# Allegro board meta_carrier_lay_rev1.brd (continued)
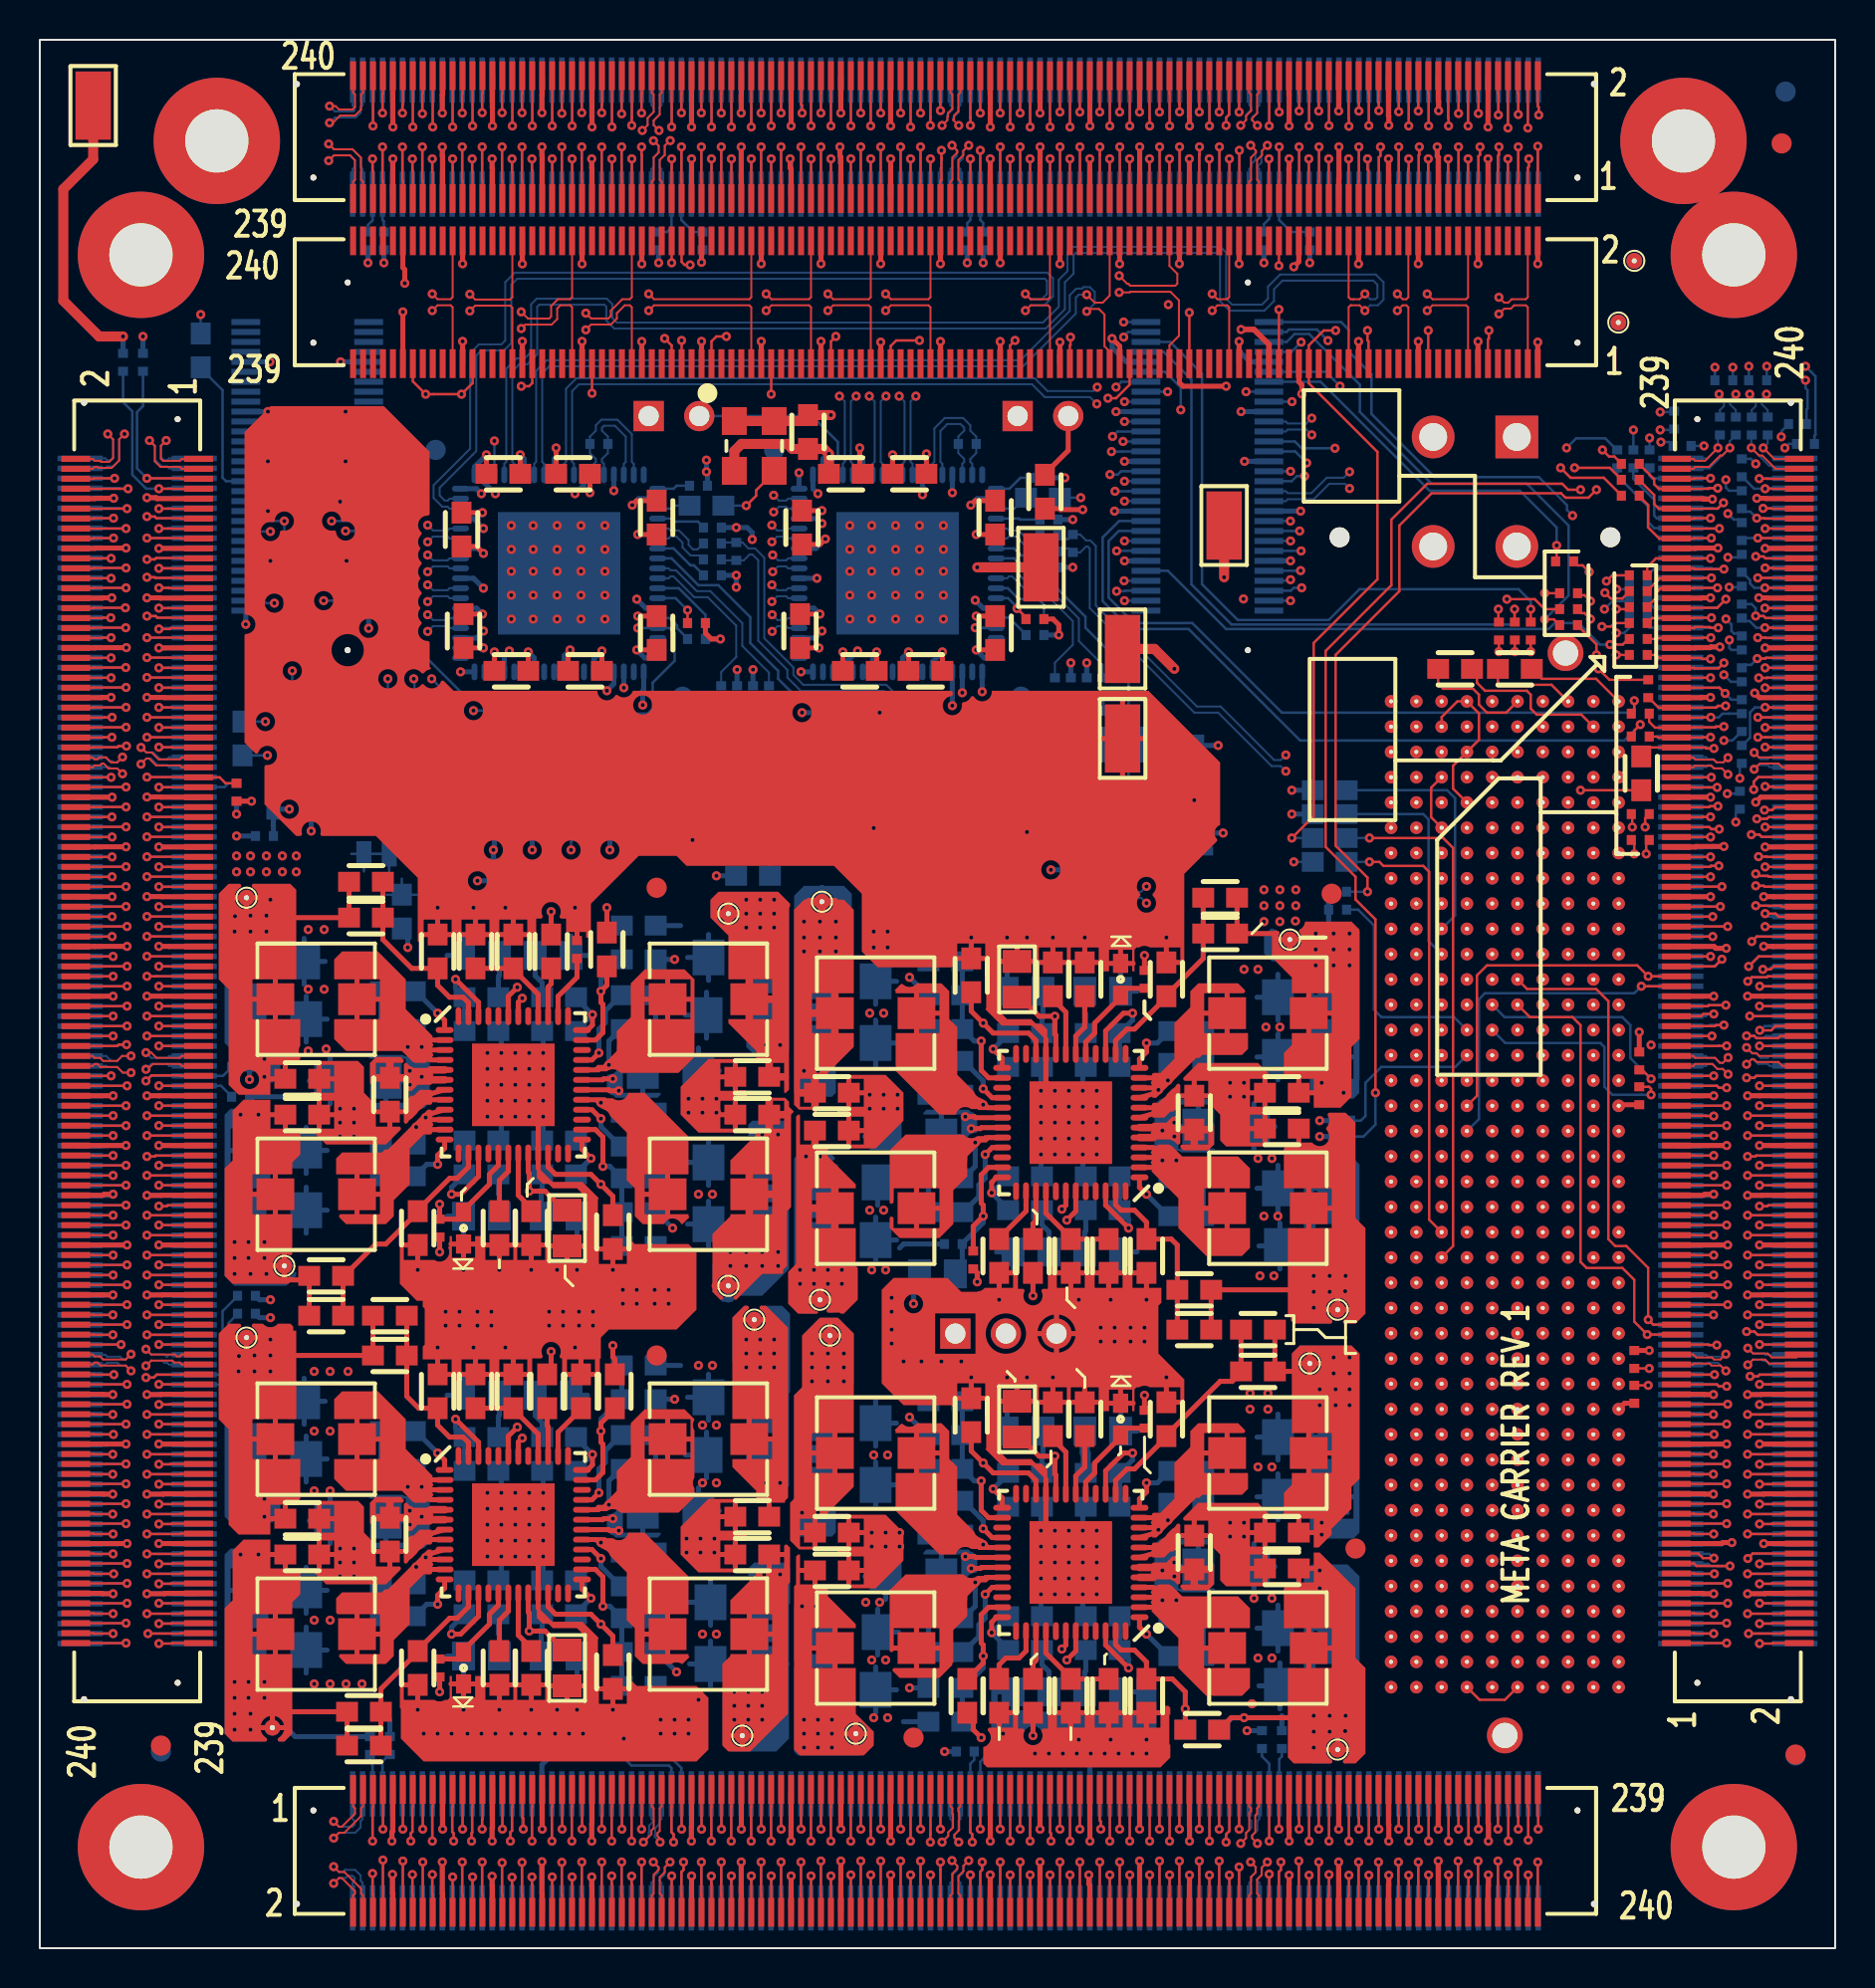
[diagram p0: board, top side]
## Routing (per net, layer and track width the routed paths; a pad name or vN(x,y) marks a point on that pad's centre or on a via; arc(x,y) is an arc through that point) (continued)
CLKPD_1P8V: length 38.7
  SIGNAL_L5 w0.127: v1(62.98,54.58) 27.28,54.58 v1(26.68,55.18)
  BOTTOM w0.127: U9.2 26.73,55.64 26.68,55.59 v1(26.68,55.18) ; v1(62.98,54.58) R49.1
CLKPDB: length 43.9
  SIGNAL_L12 w0.083: v1(30.03,66.33) 30.98,65.38 37.81,65.38 38.21,65.78 46.41,65.78 v1(46.98,66.35)
  BOTTOM w0.127: U7.15 47.39,66.33 47.37,66.35 v1(46.98,66.35) ; J14.9 17.66,69.2 18.68,68.18 18.68,65.58 21.18,63.08 26.63,63.08 27.01,62.7 27.06,62.7 27.68,62.08 R114.1 30.53,62.03 30.78,62.28 30.78,63.58 31.88,64.68 31.88,66.07 31.62,66.33 U10.15 v1(30.03,66.33)
CLKREF_N_CLOCK: length 7.3
  BOTTOM w0.102: U7.67 44.83,74.58 44.93,74.68 44.93,76.36 45.45,76.88 46.37,76.88 46.73,76.52 46.73,76.25 47.03,75.95 R77.1 47.03,75.12 46.73,74.82 46.73,74.68 46.83,74.58 U7.71
CLKREF_N_CLOCK1: length 7.1
  BOTTOM w0.102: U10.67 27.83,74.58 27.93,74.68 27.93,74.82 27.63,75.12 R113.1 27.63,75.95 27.93,76.25 27.93,76.52 28.21,76.8 29.01,76.8 29.73,76.07 29.73,74.68 29.83,74.58 U10.71
CLKREF_P_CLOCK: length 6.3
  BOTTOM w0.102: U7.70 46.33,74.58 46.43,74.68 46.43,74.82 46.13,75.12 R77.2 46.13,75.95 46.43,76.25 46.43,76.39 46.24,76.58 45.58,76.58 45.23,76.23 45.23,74.68 45.33,74.58 U7.68
CLKREF_P_CLOCK1: length 6.1
  BOTTOM w0.102: U10.70 29.33,74.58 29.43,74.68 29.43,75.95 28.88,76.49 28.33,76.49 28.23,76.39 28.23,76.25 28.53,75.95 R113.2 28.53,75.12 28.23,74.82 28.23,74.68 28.33,74.58 U10.68
COLID2: length 38.5
  TOP w0.127: J2.174 32.23,84.73 32.38,84.58 v1(32.66,84.58)
  SIGNAL_L10 w0.083: v1(19.68,63.78) 15.98,67.48 15.98,70.58 v1(15.36,71.2) 15.36,71.75 20.28,76.68 20.98,76.68 23.28,78.98 23.28,82.48 24.38,83.58 31.66,83.58 v1(32.66,84.58)
  BOTTOM w0.127: U12.4 20.09,63.38 v1(19.68,63.78) ; J14.17 v1(15.36,71.2)
COLID3: length 38.6
  TOP w0.127: J2.176 v1(31.73,84.68)
  SIGNAL_L10 w0.083: v1(18.78,63.78) 18.28,63.78 15.18,66.88 15.18,68.78 14.65,69.3 v1(14.65,71.7) 20.03,77.08 20.78,77.08 22.78,79.08 22.78,82.58 24.08,83.88 30.93,83.88 v1(31.73,84.68)
  BOTTOM w0.127: J14.19 v1(14.65,71.7) ; U12.3 18.81,63.64 18.78,63.68 v1(18.78,63.78)
COMP1_Q1: length 5.2
  TOP w0.254: U2.46 22.03,47.53 v1(20.88,48.68)
  BOTTOM w0.254: v1(20.88,48.68) 20.88,48.23 R121.2 21.33,46.65 21.43,46.55 21.43,46.18 C167.1
COMP1_Q2: length 5.2
  TOP w0.254: U5.46 53.53,15.23 v1(54.68,14.08)
  BOTTOM w0.254: C94.1 54.13,16.58 54.13,16.21 54.23,16.11 R63.2 54.68,14.53 v1(54.68,14.08)
COMP1_Q4: length 5.2
  TOP w0.254: v1(20.88,26.58) 22.03,25.43 U4.46
  BOTTOM w0.254: C171.1 21.43,24.08 21.43,24.45 21.33,24.55 R123.2 20.88,26.13 v1(20.88,26.58)
COMP1_Q8: length 5.2
  TOP w0.254: v1(54.68,36.18) 53.53,37.33 U3.46
  BOTTOM w0.254: C90.1 54.13,38.68 54.13,38.31 54.23,38.21 R61.2 54.68,36.63 v1(54.68,36.18)
COMP2_Q1: length 5.8
  TOP w0.254: U2.15 22.03,38.77 21.14,37.88 v1(20.68,37.88)
  BOTTOM w0.254: v1(20.68,37.88) 20.68,38.23 R122.2 C168.1
COMP2_Q2: length 5.8
  TOP w0.254: v1(54.88,24.88) 54.42,24.88 53.53,23.99 U5.15
  BOTTOM w0.254: v1(54.88,24.88) 54.88,24.53 R62.2 C93.1
COMP2_Q4: length 5.8
  TOP w0.254: v1(20.68,15.78) 21.14,15.78 22.03,16.67 U4.15
  BOTTOM w0.254: C172.1 R124.2 20.68,16.13 v1(20.68,15.78)
COMP2_Q8: length 5.8
  TOP w0.254: v1(54.88,46.98) 54.42,46.98 53.53,46.09 U3.15
  BOTTOM w0.254: C89.1 R60.2 54.88,46.63 v1(54.88,46.98)
COMP3_Q1: length 3.5
  TOP w0.254: v1(27.68,39.68) 27.23,40.13 U2.25
  BOTTOM w0.254: C159.1 27.38,40.13 27.38,39.98 v1(27.68,39.68) 26.93,38.93 R116.2
COMP3_Q2: length 3.5
  TOP w0.254: U5.25 48.33,22.63 v1(47.88,23.08)
  BOTTOM w0.254: R72.2 48.63,23.83 v1(47.88,23.08) 48.18,22.78 48.18,22.63 C111.1
COMP3_Q4: length 3.5
  TOP w0.254: v1(27.68,17.58) 27.23,18.03 U4.25
  BOTTOM w0.254: C162.1 27.38,18.03 27.38,17.88 v1(27.68,17.58) 26.93,16.83 R118.2
COMP3_Q8: length 3.5
  TOP w0.254: v1(47.88,45.18) 48.33,44.73 U3.25
  BOTTOM w0.254: R70.2 48.63,45.93 v1(47.88,45.18) 48.18,44.88 48.18,44.73 C108.1
COMP4_Q1: length 3.5
  TOP w0.254: v1(27.76,46.91) 27.76,46.38 27.5,46.13 U2.36
  BOTTOM w0.254: R115.2 27.08,47.63 27.08,47.58 v1(27.76,46.91) C158.1
COMP4_Q2: length 3.5
  TOP w0.254: v1(47.8,15.86) 47.8,16.38 48.06,16.63 U5.36
  BOTTOM w0.254: R73.2 48.48,15.13 48.48,15.18 v1(47.8,15.86) C112.1
COMP4_Q4: length 3.5
  TOP w0.254: v1(27.76,24.8) 27.76,24.28 27.5,24.03 U4.36
  BOTTOM w0.254: R117.2 27.08,25.53 27.08,25.48 v1(27.76,24.8) C161.1
COMP4_Q8: length 3.5
  TOP w0.254: v1(47.8,37.95) 47.8,38.48 48.06,38.73 U3.36
  BOTTOM w0.254: C109.1 v1(47.8,37.95) 48.48,37.28 48.48,37.23 R71.2
CTRL_IN0: length 5.5
  TOP w0.127: v1(84.08,60.28) 83.69,60.28 83.64,60.33 J4.181 80.88,60.33 R3.2
  BOTTOM w0.127: v1(84.08,60.28) 83.79,60.28 83.72,60.34 J6.181
CTRL_IN0_LINK4-S: length 3.8
  TOP w0.127: v1(30.22,5.98) 30.22,6.62 30.23,6.64 J5.59
  BOTTOM w0.127: v1(30.22,5.98) J12.59
CTRL_IN0_LINK4-S2: length 3.8
  TOP w0.127: v1(5.98,60.34) 6.62,60.34 6.64,60.33 J3.59
  BOTTOM w0.127: v1(5.98,60.34) J15.59
CTRL_IN0_N: length 5
  TOP w0.127: v1(30.22,90.5) 30.22,90.11 30.23,90.1 30.23,87.91
  BOTTOM w0.127: v1(30.22,90.5) J11.181
CTRL_IN1: length 4.8
  TOP w0.127: J4.121 83.08,45.33 84.32,45.33 84.33,45.33 v1(84.72,45.33)
  BOTTOM w0.127: v1(84.72,45.33) 84.33,45.33 84.32,45.33 J6.121
CTRL_IN1_LINK4-S: length 3.8
  TOP w0.127: J5.119 v1(45.23,5.98)
  BOTTOM w0.127: v1(45.23,5.98) 45.23,6.45 45.23,6.45 J12.119
CTRL_IN1_LINK4-S2: length 3.8
  TOP w0.127: J3.119 v1(5.98,45.33)
  BOTTOM w0.127: J15.119 6.45,45.33 v1(5.98,45.33)
CTRL_IN1_N: length 4.7
  TOP w0.127: v1(45.28,90.33) 45.28,89.94 45.28,89.93 45.28,88.85 45.23,88.8 45.23,87.91
  BOTTOM w0.127: J11.121 45.23,89.43 45.28,89.48 45.28,89.93 45.28,89.94 v1(45.28,90.33)
CTRL_IN2: length 3.9
  TOP w0.127: J4.61 83.8,30.33 83.83,30.3 v1(84.23,30.3)
  BOTTOM w0.127: J6.61 83.82,30.32 83.83,30.3 v1(84.23,30.3)
CTRL_IN2_LINK4-S: length 3.8
  TOP w0.127: J5.179 v1(60.23,5.98)
  BOTTOM w0.127: J12.179 60.24,6.19 60.23,6.18 v1(60.23,5.98)
CTRL_IN2_LINK4-S2: length 3.8
  TOP w0.127: J3.179 v1(5.98,30.33)
  BOTTOM w0.127: v1(5.98,30.33) 6.18,30.33 6.19,30.32 J15.179
CTRL_IN2_N: length 4.6
  TOP w0.127: v1(60.24,90.33) 60.24,88.81 60.23,88.8 60.23,87.91
  BOTTOM w0.127: J11.61 v1(60.24,90.33)
CTRL_IN3: length 4.8
  TOP w0.127: J4.1 v1(84.72,15.33)
  BOTTOM w0.127: J6.1 83.72,15.31 83.74,15.33 v1(84.72,15.33)
CTRL_IN3_LINK4-S: length 3.8
  TOP w0.127: v1(75.26,5.98) 75.26,6.62 75.23,6.65 J5.239
  BOTTOM w0.127: v1(75.26,5.98) J12.239
CTRL_IN3_LINK4-S2: length 3.8
  TOP w0.127: J3.239 6.65,15.33 6.62,15.31 v1(5.98,15.31)
  BOTTOM w0.127: v1(5.98,15.31) J15.239
CTRL_IN3_N: length 5
  TOP w0.127: 75.23,87.91 v1(75.23,90.53)
  BOTTOM w0.127: J11.1 75.26,90.12 75.23,90.14 v1(75.23,90.53)
CTRL_OUT0: length 13.4
  TOP w0.127: v1(4.35,60.4) 3.96,60.4 3.9,60.34 2.7,60.34 2.69,60.33 J3.60
  SIGNAL_L10 w0.083: v1(11.43,59.93) 4.82,59.93 v1(4.35,60.4)
  BOTTOM w0.127: R138.2 v1(11.43,59.93) ; J15.60 3.9,60.34 3.96,60.4 v1(4.35,60.4)
CTRL_OUT0_LINK4-E: length 3.2
  TOP w0.127: v1(86.65,60.34) 87.04,60.34 87.06,60.33 J4.182
  BOTTOM w0.127: v1(86.65,60.34) J6.182
CTRL_OUT0_LINK4-S: length 4.8
  TOP w0.127: v1(30.22,4.33) 30.22,2.7 30.23,2.69 J5.60
  BOTTOM w0.127: J12.60 v1(30.22,4.33)
CTRL_OUT0_N: length 3.5
  TOP w0.127: J1.182 30.23,93.19 30.22,93.18 v1(30.22,92.2)
  BOTTOM w0.127: v1(30.22,92.2) J11.182
CTRL_OUT1: length 4.9
  TOP w0.127: v1(4.36,45.4) 3.96,45.4 3.89,45.33 2.69,45.33 J3.120
  BOTTOM w0.127: v1(4.36,45.4) 3.96,45.4 3.89,45.33 J15.120
CTRL_OUT1_LINK4-E: length 3.8
  TOP w0.127: J4.122 v1(86.37,45.33)
  BOTTOM w0.127: v1(86.37,45.33) 86.84,45.33 J6.122
CTRL_OUT1_LINK4-S: length 4.8
  TOP w0.127: J5.120 45.23,2.69 45.23,2.69 45.23,3.93 45.23,3.94 v1(45.23,4.33)
  BOTTOM w0.127: J12.120 45.23,3.93 45.23,3.94 v1(45.23,4.33)
CTRL_OUT1_N: length 3.3
  TOP w0.127: J1.122 45.23,92.72 45.23,92.72 v1(45.23,92.33)
  BOTTOM w0.127: J11.122 v1(45.23,92.33)
CTRL_OUT2: length 4.3
  TOP w0.127: J3.180 v1(4.08,30.33)
  BOTTOM w0.127: J15.180 3.33,30.32 3.34,30.33 v1(4.08,30.33)
CTRL_OUT2_LINK4-E: length 3.8
  TOP w0.127: J4.62 v1(86.37,30.33)
  BOTTOM w0.127: J6.62 86.58,30.32 86.57,30.33 v1(86.37,30.33)
CTRL_OUT2_LINK4-S: length 4.3
  TOP w0.127: J5.180 v1(60.23,4.08)
  BOTTOM w0.127: J12.180 60.24,3.33 60.23,3.34 v1(60.23,4.08)
CTRL_OUT2_N: length 3.4
  TOP w0.127: J1.62 v1(60.23,92.25)
  BOTTOM w0.127: J11.62 60.24,92.27 v1(60.23,92.25)
CTRL_OUT3: length 4.8
  TOP w0.127: J3.240 v1(4.33,15.33)
  BOTTOM w0.127: J15.240 3.33,15.31 3.35,15.33 v1(4.33,15.33)
CTRL_OUT3_LINK4-E: length 3.8
  TOP w0.127: v1(86.37,15.31) 87.01,15.31 87.04,15.33 J4.2
  BOTTOM w0.127: v1(86.37,15.31) J6.2
CTRL_OUT3_LINK4-S: length 4.8
  TOP w0.127: J5.240 v1(75.23,4.33)
  BOTTOM w0.127: J12.240 75.26,3.33 75.23,3.35 v1(75.23,4.33)
CTRL_OUT3_N: length 3.8
  TOP w0.127: v1(75.28,92.11) 75.28,92.5 75.23,92.55 J1.2
  BOTTOM w0.127: v1(75.28,92.11) 75.28,92.5 75.26,92.53 J11.2
EA_DATA_IN_N0: length 5.3
  TOP w0.127: R158.1 80.73,69.39 81.17,69.83 J4.219 v1(83.91,69.83)
  BOTTOM w0.127: v1(83.91,69.83) 83.89,69.85 J6.219
EA_DATA_IN_N1: length 5
  TOP w0.127: v1(83.95,68.85) 83.56,68.85 83.54,68.83 J4.215 81.36,68.83 80.73,68.2 R145.2
  BOTTOM w0.127: J6.215 v1(83.95,68.85)
EA_DATA_IN_N2: length 6.9
  TOP w0.127: J4.209 83.08,67.33 83.1,67.35 84.25,67.35 v1(84.68,67.78)
  BOTTOM w0.127: v1(84.68,67.78) 84.25,67.35 J6.209 81.07,67.35 80.74,67.68 R152.1
EA_DATA_IN_N3: length 6.2
  TOP w0.127: J4.205 83.08,66.33 83.13,66.38 83.87,66.38 83.9,66.34 v1(84.3,66.34)
  BOTTOM w0.127: R151.2 80.73,66.47 80.85,66.35 J6.205 83.9,66.35 83.9,66.34 v1(84.3,66.34)
EA_DATA_IN_N4: length 4.8
  TOP w0.127: v1(83.91,64.78) 83.49,64.78 83.44,64.83 J4.199 81.27,64.83 81.12,64.98 R147.1
  BOTTOM w0.127: v1(83.91,64.78) 82.48,64.78 J6.199
EA_DATA_IN_N5: length 15.2
  TOP w0.127: J4.195 v1(83.91,63.83) ; v1(73.28,65.14) R160.2
  SIGNAL_L3 w0.083: v1(73.28,65.14) 74.9,63.53 83.6,63.53 v1(83.91,63.83)
  BOTTOM w0.127: J6.195 83.9,63.84 v1(83.91,63.83)
EA_DATA_IN_N6: length 6.4
  TOP w0.127: R155.1 80.8,62.83 81.3,62.33 J4.189 84.18,62.33 84.27,62.42 v1(84.67,62.42)
  BOTTOM w0.127: v1(84.67,62.42) 84.27,62.42 84.2,62.34 J6.189
EA_DATA_IN_N7: length 6.5
  TOP w0.127: R149.2 80.83,61.62 81.12,61.33 J4.185 83.08,61.33 83.09,61.34 84.15,61.34 84.19,61.38 v1(84.58,61.38)
  BOTTOM w0.127: J6.185 84.15,61.34 84.19,61.38 v1(84.58,61.38)
EA_DATA_IN_N8: length 25.4
  TOP w0.127: J4.159 v1(83.91,54.83)
  SIGNAL_L5 w0.083: 70.41,41.05 70.86,41.51 73.11,41.51 73.48,41.88 73.48,44.98 73.98,45.48 74.48,45.48 74.98,45.98 74.98,46.48 75.28,46.78 75.78,46.78 76.18,47.18 76.18,47.68 76.58,48.08 76.88,48.08 77.38,48.58 77.38,48.68 77.88,49.18 79.18,49.18 80.68,50.68 80.68,51.6 v1(83.91,54.83)
  BOTTOM w0.127: J6.159 83.72,54.84 83.72,54.83 v1(83.91,54.83)
EA_DATA_IN_N9: length 20.6
  TOP w0.127: J4.155 v1(83.91,53.83)
  SIGNAL_L10 w0.083: v1(83.91,53.83) 82.73,53.83 79.48,50.58 79.28,50.58 78.84,50.14 78.84,49.94 78.18,49.28 77.98,49.28 77.48,48.78 77.48,48.58 76.88,47.98 76.58,47.98 76.08,47.48 76.08,41.73 76.75,41.05
  BOTTOM w0.127: J6.155 83.69,53.84 83.69,53.83 v1(83.91,53.83)
EA_DATA_IN_N10: length 27.4
  TOP w0.127: J4.149 83.08,52.33 83.09,52.34 v1(84.4,52.34)
  SIGNAL_L10 w0.083: P1.G22 75.01,39.31 75.01,38.25 75.38,37.88 79.59,37.88 79.96,38.25 79.96,45.62 79.78,45.8 79.78,47.15 84.01,51.38 84.28,51.38 84.4,51.5 v1(84.4,52.34)
  BOTTOM w0.127: J6.149 v1(84.4,52.34)
EA_DATA_IN_N11: length 16.2
  TOP w0.127: v1(84.77,51.34) 83.09,51.34 83.08,51.33 J4.145
  SIGNAL_L5 w0.083: P1.H26 77.37,45.48 78.27,45.48 78.64,45.85 78.64,46.38 79.04,46.79 80.11,46.79 83.67,50.34 84.15,50.34 84.77,50.96 v1(84.77,51.34)
  BOTTOM w0.127: J6.145 v1(84.77,51.34)
EA_DATA_IN_N12: length 16.3
  TOP w0.127: J4.139 v1(83.91,49.83)
  SIGNAL_L5 w0.083: P1.G25 76.1,42.98 79.33,42.98 79.78,43.43 79.78,46.11 80.35,46.68 80.76,46.68 v1(83.91,49.83)
  BOTTOM w0.127: J6.139 83.72,49.83 83.72,49.83 v1(83.91,49.83)
EA_DATA_IN_N13: length 18.9
  TOP w0.127: P1.D24 72.18,42.83 72.18,48.88 72.68,49.38 80.23,49.38 v1(80.78,48.83) J4.135
  BOTTOM w0.127: J6.135 82.41,48.83 v1(80.78,48.83)
EA_DATA_IN_N14: length 13.3
  TOP w0.127: v1(84.68,47.38) 83.82,47.38 83.78,47.33 83.08,47.33 83.08,47.33 J4.129
  SIGNAL_L12 w0.083: v1(84.68,47.38) 80.58,47.38 80.08,47.88 77.55,47.88 P1.H29
  BOTTOM w0.127: J6.129 83.78,47.33 83.82,47.38 v1(84.68,47.38)
EA_DATA_IN_N15: length 14.1
  TOP w0.127: J4.125 83.08,46.33 83.08,46.33 84.14,46.33 84.19,46.38 v1(84.58,46.38)
  SIGNAL_L12 w0.083: P1.G28 76.28,46.61 80.95,46.61 81.18,46.38 v1(84.58,46.38)
  BOTTOM w0.127: J6.125 83.83,46.33 83.88,46.38 v1(84.58,46.38)
EA_DATA_IN_N16: length 11.5
  TOP w0.127: J4.99 83.08,39.83 83.09,39.83 v1(84.07,39.83)
  SIGNAL_L12 w0.083: P1.J25 78.68,42.94 78.68,42.28 79.09,41.87 82.03,41.87 v1(84.07,39.83)
  BOTTOM w0.127: J6.99 v1(84.07,39.83)
EA_DATA_IN_N17: length 14.3
  TOP w0.127: v1(84.07,38.82) 83.09,38.82 83.08,38.83 J4.95
  SIGNAL_L12 w0.083: 74.22,41.05 74.69,40.58 82.31,40.58 v1(84.07,38.82)
  BOTTOM w0.127: J6.95 v1(84.07,38.82)
EA_DATA_IN_N18: length 17.6
  TOP w0.127: J4.89 v1(84.72,37.33)
  SIGNAL_L12 w0.083: P1.E22 73.45,39.28 82.08,39.28 84.03,37.33 v1(84.72,37.33)
  BOTTOM w0.127: v1(84.72,37.33) 83.72,37.33 83.72,37.32 J6.89
EA_DATA_IN_N19: length 26.1
  TOP w0.127: J4.85 v1(84.72,36.33)
  SIGNAL_L12 w0.083: v1(84.72,36.33) 84.04,36.33 82.31,38.06 72.7,38.06 72.39,38.37 72.39,39.87 72.86,40.35 73.14,40.35 73.25,40.45 73.76,40.96 73.76,41.36 74.18,41.78 74.48,41.78 74.78,42.08 74.78,44.3 P1.F26
  BOTTOM w0.127: v1(84.72,36.33) 83.72,36.33 83.72,36.32 J6.85
EA_DATA_IN_N20: length 25.1
  TOP w0.127: J4.79 83.08,34.83 83.09,34.82 v1(84.07,34.82)
  SIGNAL_L12 w0.083: P1.E25 72.38,43.03 72.38,42.18 71.98,41.78 71.58,41.78 70.9,41.1 70.9,37.36 71.66,36.6 81.36,36.6 83.14,34.82 v1(84.07,34.82)
  BOTTOM w0.127: J6.79 v1(84.07,34.82)
EA_DATA_IN_N21: length 20.7
  TOP w0.127: v1(84.07,33.82) 83.09,33.82 83.08,33.83 J4.75
  SIGNAL_L3 w0.083: P1.K29 79.3,48.16 80.7,46.76 80.7,45.8 80.28,45.38 80.28,37.61 v1(84.07,33.82)
  BOTTOM w0.127: J6.75 v1(84.07,33.82)
EA_DATA_IN_N22: length 24.3
  TOP w0.127: J4.69 v1(84.77,32.33)
  SIGNAL_L3 w0.083: P1.J28 78.78,46.65 78.78,35.68 78.98,35.48 80.38,35.48 83.53,32.33 v1(84.77,32.33)
  BOTTOM w0.127: v1(84.77,32.33) 83.73,32.33 83.72,32.32 J6.69
EA_DATA_IN_N23: length 25.4
  TOP w0.127: P1.F29 74.7,48.19 78.17,48.19 78.78,47.58 78.78,35.62 79.12,35.28 79.68,35.28 80.78,34.18 v1(80.78,31.58) 81.03,31.33 J4.65
  BOTTOM w0.127: J6.65 81.04,31.32 v1(80.78,31.58)
EA_DATA_IN_N24: length 3.5
  TOP w0.127: J4.39 83.08,24.83 83.1,24.82 v1(84.05,24.82)
  BOTTOM w0.127: J6.39 v1(84.05,24.82)
EA_DATA_IN_N25: length 3.5
  TOP w0.127: J4.35 83.08,23.83 83.1,23.81 v1(84.05,23.81)
  BOTTOM w0.127: J6.35 v1(84.05,23.81)
EA_DATA_IN_N26: length 4.8
  TOP w0.127: J4.29 v1(84.72,22.33)
  BOTTOM w0.127: J6.29 83.72,22.31 83.73,22.33 v1(84.72,22.33)
EA_DATA_IN_N27: length 4.8
  TOP w0.127: J4.25 v1(84.72,21.33)
  BOTTOM w0.127: v1(84.72,21.33) 83.73,21.33 83.72,21.31 J6.25
EA_DATA_IN_N28: length 3.8
  TOP w0.127: J4.19 83.29,19.83 83.53,19.6 v1(84.08,19.6)
  BOTTOM w0.127: v1(84.08,19.6) 84.08,19.58 83.85,19.81 J6.19
EA_DATA_IN_N29: length 3.6
  TOP w0.127: J4.15 83.08,18.83 83.1,18.81 v1(84.1,18.81)
  BOTTOM w0.127: J6.15 v1(84.1,18.81)
EA_DATA_IN_N30: length 4.9
  TOP w0.127: J4.9 v1(84.77,17.33)
  BOTTOM w0.127: J6.9 83.72,17.31 83.74,17.33 v1(84.77,17.33)
EA_DATA_IN_N31: length 4.8
  TOP w0.127: J4.5 v1(84.72,16.33)
  BOTTOM w0.127: v1(84.72,16.33) 83.74,16.33 83.72,16.31 J6.5
EA_DATA_IN_P0: length 6.9
  TOP w0.127: J4.217 83.08,69.33 83.12,69.29 v1(84.58,69.29)
  BOTTOM w0.127: v1(84.58,69.29) 84.03,69.29 83.97,69.35 J6.217 81.12,69.35 80.73,68.96 R150.1
EA_DATA_IN_P1: length 5.9
  TOP w0.127: R146.2 80.73,67.4 81.18,67.85 81.18,68.1 81.41,68.33 J4.213 83.08,68.33 83.1,68.35 v1(84.26,68.35)
  BOTTOM w0.127: J6.213 v1(84.26,68.35)
EA_DATA_IN_P2: length 4.9
  TOP w0.127: R159.1 80.98,66.83 J4.207 83.08,66.83 83.1,66.85 v1(83.95,66.85)
  BOTTOM w0.127: v1(83.95,66.85) J6.207
EA_DATA_IN_P3: length 4.7
  TOP w0.127: R153.2 81.22,65.78 81.27,65.83 J4.203 83.51,65.83 83.53,65.85 v1(83.92,65.85)
  BOTTOM w0.127: v1(83.92,65.85) J6.203
EA_DATA_IN_P4: length 13.5
  TOP w0.127: R154.1 77.43,67.08 77.58,67.08 v1(77.88,66.78) ; v1(84.58,64.58) 84.3,64.3 83.11,64.3 83.08,64.33 J4.197
  SIGNAL_L5 w0.083: v1(77.88,66.78) 80.79,66.78 83.26,64.32 84.32,64.32 v1(84.58,64.58)
  BOTTOM w0.127: J6.197 84.34,64.34 v1(84.58,64.58)
EA_DATA_IN_P5: length 5.9
  TOP w0.127: v1(84.65,63.05) 84.36,63.33 83.08,63.33 J4.193
  BOTTOM w0.127: J6.193 84.35,63.34 v1(84.65,63.05) 84.96,62.73 R148.2
EA_DATA_IN_P6: length 4.9
  TOP w0.127: v1(83.92,61.84) 83.53,61.84 83.52,61.83 J4.187
  BOTTOM w0.127: J6.187 v1(83.92,61.84) 84.32,61.84 84.5,62.02 84.83,62.02 84.83,62.03 R157.1
EA_DATA_IN_P7: length 4.6
  TOP w0.127: R156.2 81.22,60.88 81.27,60.83 J4.183 83.5,60.83 83.52,60.84 v1(83.91,60.84)
  BOTTOM w0.127: v1(83.91,60.84) J6.183
EA_DATA_IN_P8: length 27.8
  TOP w0.127: v1(84.33,54.38) 83.93,54.38 83.88,54.33 J4.157
  SIGNAL_L5 w0.083: v1(84.33,54.38) 83.94,54.38 83.38,53.83 83.38,52.08 79.52,48.22 78.11,48.22 77.37,47.47 77.37,47.22 77.1,46.95 76.92,46.95 75.94,45.97 75.94,45.64 75.79,45.49 75.26,45.49 74.88,45.11 74.88,41.07 74.22,40.41 71.03,40.41 P1.C22
  BOTTOM w0.127: v1(84.33,54.38) 83.93,54.38 83.89,54.34 J6.157
EA_DATA_IN_P9: length 21.9
  TOP w0.127: J4.153 83.08,53.33 83.09,53.34 v1(84.48,53.34)
  SIGNAL_L10 w0.083: v1(84.48,53.34) 83.54,53.34 79.48,49.28 79.25,49.28 78.48,48.51 78.48,48.48 78.22,48.22 78.09,48.22 77.38,47.51 77.38,40.41 P1.H22
  BOTTOM w0.127: J6.153 v1(84.48,53.34)
EA_DATA_IN_P10: length 22
  TOP w0.127: J4.147 v1(84.02,51.83)
  SIGNAL_L10 w0.083: v1(84.02,51.83) 83.1,51.83 79.49,48.22 79.42,48.22 78.58,47.38 78.58,39.69 78.22,39.33 76.3,39.33 75.48,38.52
  BOTTOM w0.127: v1(84.02,51.83) 83.72,51.83 83.72,51.83 J6.147
EA_DATA_IN_P11: length 15.7
  TOP w0.127: J4.143 v1(84.02,50.83)
  SIGNAL_L5 w0.083: P1.H25 76.3,44.05 76.3,45.23 76.61,45.54 76.96,45.54 77.39,45.97 77.39,46.25 77.9,46.76 78.21,46.76 78.61,47.17 78.61,47.57 78.92,47.88 80.7,47.88 83.65,50.83 v1(84.02,50.83)
  BOTTOM w0.127: v1(84.02,50.83) 83.72,50.83 83.72,50.83 J6.143
EA_DATA_IN_P12: length 17.9
  TOP w0.127: J4.137 84.12,49.33 v1(84.48,49.69)
  SIGNAL_L5 w0.083: v1(84.48,49.69) 81.08,46.29 81.08,46.18 80.28,45.38 80.28,43.48 79.58,42.78 75.94,42.78 P1.G24
  BOTTOM w0.127: v1(84.48,49.69) 84.4,49.69 84.4,49.61 84.13,49.33 J6.137
EA_DATA_IN_P13: length 19
  TOP w0.127: J4.133 80.83,48.33 80.83,48.33 v1(80.43,48.33)
  BOTTOM w0.127: 71.67,41.05 72.28,41.66 72.28,47.68 72.58,47.98 80.08,47.98 v1(80.43,48.33) J6.133
EA_DATA_IN_P14: length 11.1
  TOP w0.127: J4.127 83.44,46.83 83.55,46.94 v1(84.07,46.94)
  SIGNAL_L12 w0.083: P1.H28 77.21,46.95 83.57,46.95 83.58,46.94 v1(84.07,46.94)
  BOTTOM w0.127: v1(84.07,46.94) 83.78,46.94 83.67,46.83 J6.127
EA_DATA_IN_P15: length 12.2
  TOP w0.127: J4.123 v1(83.98,45.83)
  SIGNAL_L12 w0.083: P1.G27 76.04,45.58 80.48,45.58 80.73,45.83 v1(83.98,45.83)
  BOTTOM w0.127: v1(83.98,45.83) 83.72,45.83 83.72,45.83 J6.123
EA_DATA_IN_P16: length 12.8
  TOP w0.127: J4.97 v1(84.72,39.33)
  SIGNAL_L12 w0.083: P1.J24 78.77,41.58 81.78,41.58 84.03,39.33 v1(84.72,39.33)
  BOTTOM w0.127: v1(84.72,39.33) 83.72,39.33 83.72,39.33 J6.97
EA_DATA_IN_P17: length 16.3
  TOP w0.127: J4.93 v1(84.72,38.33)
  SIGNAL_L12 w0.083: v1(84.72,38.33) 83.93,38.33 81.98,40.28 74.71,40.28 P1.F22
  BOTTOM w0.127: v1(84.72,38.33) 83.72,38.33 83.72,38.33 J6.93
EA_DATA_IN_P18: length 15.7
  TOP w0.127: v1(84.07,36.82) 83.09,36.82 83.08,36.83 J4.87
  SIGNAL_L12 w0.083: 72.94,38.52 73.41,38.98 81.91,38.98 v1(84.07,36.82)
  BOTTOM w0.127: J6.87 v1(84.07,36.82)
EA_DATA_IN_P19: length 22.7
  TOP w0.127: v1(84.07,35.82) 83.09,35.82 83.08,35.83 J4.83
  SIGNAL_L12 w0.083: v1(84.07,35.82) 82.19,37.7 72.75,37.7 72.2,38.26 72.2,39.95 72.78,40.53 72.93,40.53 73.07,40.53 73.57,41.03 73.57,42.95 P1.F25
  BOTTOM w0.127: J6.83 v1(84.07,35.82)
EA_DATA_IN_P20: length 25.5
  TOP w0.127: J4.77 v1(84.77,34.33)
  SIGNAL_L12 w0.083: v1(84.77,34.33) 84.77,34.7 84.28,35.19 83.37,35.19 81.77,36.79 72.75,36.79 72.13,37.41 72.13,37.44 71.87,37.7 71.84,37.7 71.08,38.46 71.08,40.08 71.38,40.38 71.88,40.38 72.38,40.88 72.38,41.76 P1.E24
  BOTTOM w0.127: J6.77 83.72,34.32 83.72,34.33 v1(84.77,34.33)
EA_DATA_IN_P21: length 21.9
  TOP w0.127: J4.73 v1(84.77,33.33)
  SIGNAL_L3 w0.083: v1(84.77,33.33) 83.73,33.33 79.88,37.18 79.88,46.82 P1.K28
  BOTTOM w0.127: J6.73 83.72,33.32 83.72,33.33 v1(84.77,33.33)
EA_DATA_IN_P22: length 21.4
  TOP w0.127: J4.67 83.08,31.83 83.09,31.82 v1(84.06,31.82)
  SIGNAL_L3 w0.083: v1(84.06,31.82) 83.34,31.82 79.98,35.18 78.88,35.18 78.48,35.58 78.48,45.68 P1.J27
  BOTTOM w0.127: J6.67 v1(84.06,31.82)
EA_DATA_IN_P23: length 24.7
  TOP w0.127: P1.F28 74.84,46.78 76.98,46.78 77.38,46.38 77.38,34.48 77.68,34.18 79.48,34.18 80.08,33.58 80.08,31.48 v1(80.73,30.83) J4.63
  BOTTOM w0.127: J6.63 80.74,30.82 v1(80.73,30.83)
EA_DATA_IN_P24: length 4.8
  TOP w0.127: J4.37 v1(84.72,24.33)
  BOTTOM w0.127: J6.37 83.72,24.31 83.73,24.33 v1(84.72,24.33)
EA_DATA_IN_P25: length 4.8
  TOP w0.127: J4.33 v1(84.72,23.33)
  BOTTOM w0.127: v1(84.72,23.33) 83.73,23.33 83.72,23.31 J6.33
EA_DATA_IN_P26: length 3.5
  TOP w0.127: J4.27 83.08,21.83 83.1,21.81 v1(84.05,21.81)
  BOTTOM w0.127: J6.27 v1(84.05,21.81)
EA_DATA_IN_P27: length 3.5
  TOP w0.127: v1(84.07,20.81) 83.1,20.81 83.08,20.83 J4.23
  BOTTOM w0.127: J6.23 v1(84.07,20.81)
EA_DATA_IN_P28: length 5.3
  TOP w0.127: v1(84.89,19.2) 84.26,19.2 84.26,19.2 83.21,19.2 83.08,19.33 J4.17
  BOTTOM w0.127: J6.17 83.79,19.31 83.9,19.2 84.46,19.2 84.46,19.2 v1(84.89,19.2)
EA_DATA_IN_P29: length 4.9
  TOP w0.127: J4.13 v1(84.77,18.33)
  BOTTOM w0.127: v1(84.77,18.33) 83.74,18.33 83.72,18.31 J6.13
EA_DATA_IN_P30: length 3.5
  TOP w0.127: J4.7 83.08,16.83 83.1,16.81 v1(84.07,16.81)
  BOTTOM w0.127: J6.7 v1(84.07,16.81)
EA_DATA_IN_P31: length 3.5
  TOP w0.127: J4.3 83.08,15.83 83.1,15.81 v1(84.07,15.81)
  BOTTOM w0.127: J6.3 v1(84.07,15.81)
EA_DATA_OUT_N0: length 11.7
  TOP w0.127: v1(86.18,69.93) 86.57,69.93 86.67,69.83 J4.220
  SIGNAL_L3 w0.083: v1(83.58,75.48) 84.38,74.68 84.78,74.68 85.68,73.78 85.68,70.43 v1(86.18,69.93)
  BOTTOM w0.127: v1(83.58,75.48) R178.1 ; J6.220 86.65,69.85 86.57,69.93 v1(86.18,69.93)
EA_DATA_OUT_N1: length 15
  TOP w0.127: v1(86.28,68.85) 87.46,68.85 87.48,68.83 J4.216
  SIGNAL_L5 w0.083: v1(81.38,76.28) 83.08,74.58 84.61,74.58 85.18,74.01 85.18,69.95 v1(86.28,68.85)
  BOTTOM w0.127: v1(81.38,76.28) 82.03,76.28 R177.2 ; J6.216 v1(86.28,68.85)
EA_DATA_OUT_N2: length 14.6
  TOP w0.127: v1(77.82,69.15) 77.49,69.48 77.23,69.48 R182.1 ; J4.210 v1(86.64,67.33)
  SIGNAL_L10 w0.083: v1(77.82,69.15) 77.55,68.89 77.55,68.53 78.41,67.68 82.78,67.68 83.13,67.33 v1(86.64,67.33)
  BOTTOM w0.127: J6.210 86.84,67.35 86.83,67.33 v1(86.64,67.33)
EA_DATA_OUT_N3: length 4.6
  TOP w0.127: J4.206 87.05,66.33 87.03,66.34 v1(86.64,66.34)
  BOTTOM w0.127: J6.206 86.83,66.35 86.82,66.34 86.64,66.34 v1(86.64,66.34) 86.21,66.34 85.87,66.68 85.63,66.68 R181.2
EA_DATA_OUT_N4: length 5
  TOP w0.127: J4.200 86.69,64.83 86.65,64.8 v1(86.26,64.8)
  BOTTOM w0.127: J6.200 86.7,64.84 86.65,64.8 v1(86.26,64.8) 85.94,64.48 85.63,64.48 R186.1
EA_DATA_OUT_N5: length 18.4
  TOP w0.127: v1(86.33,63.82) 86.73,63.82 86.74,63.83 J4.196 ; v1(74.08,65.14) R185.2
  SIGNAL_L3 w0.083: v1(74.08,65.14) 75.42,63.8 79.2,63.8 80.58,65.18 84.05,65.18 84.25,64.98 85.17,64.98 v1(86.33,63.82)
  BOTTOM w0.127: v1(86.33,63.82) 86.73,63.82 86.75,63.84 J6.196
EA_DATA_OUT_N6: length 5.9
  TOP w0.127: J4.190 87.06,62.33 87.04,62.34 v1(86.65,62.34)
  BOTTOM w0.127: J6.190 v1(86.65,62.34) 86.14,62.34 85.89,62.09 85.89,60.83 85.89,60.82 85.89,60.82 85.5,60.43 R190.1
EA_DATA_OUT_N7: length 13.3
  TOP w0.127: R189.2 80.68,55.53 v1(80.68,54.98) ; J4.186 v1(86.65,61.33)
  SIGNAL_L5 w0.083: v1(86.65,61.33) 85.95,61.33 85.88,61.26 85.88,61.25 84.91,60.28 84.68,60.28 83.18,58.78 83.18,57.48 v1(80.68,54.98)
  BOTTOM w0.127: v1(86.65,61.33) 86.76,61.33 86.78,61.34 J6.186
EA_DATA_OUT_N8: length 46.9
  TOP w0.127: J4.160 86.73,54.83 86.71,54.84 v1(86.32,54.84)
  SIGNAL_L5 w0.083: 71.67,23.27 72.41,24.01 72.41,24.66 73.11,25.36 73.14,25.36 73.4,25.62 73.4,29.7 73.88,30.18 75.68,30.18 76.18,30.68 76.18,32.39 76.67,32.88 79.58,32.88 82.78,36.08 82.78,43.08 83.98,44.28 84.95,44.28 84.95,44.28 85.06,44.28 85.66,44.88 86.58,44.88 87.27,45.57 87.27,47.28 87.27,50.5 86.89,50.89 86.53,50.89 86.18,51.24 86.18,51.6 85.78,52 85.78,54.3 v1(86.32,54.84)
  BOTTOM w0.127: v1(86.32,54.84) 86.73,54.84 86.74,54.84 J6.160
EA_DATA_OUT_N9: length 53.6
  TOP w0.127: v1(86.18,53.98) 86.28,53.88 86.79,53.88 86.83,53.84 87.47,53.84 87.48,53.83 J4.156
  SIGNAL_L10 w0.083: P1.H8 76.12,21.37 76.12,19.38 76.5,19.01 82.11,19.01 83.48,20.38 84.18,20.38 84.68,20.88 84.95,20.88 85.26,21.18 85.97,21.18 86.22,20.94 86.94,20.94 88.08,22.08 88.08,52.45 86.81,53.72 86.44,53.72 v1(86.18,53.98)
  BOTTOM w0.127: v1(86.18,53.98) 86.28,53.88 86.79,53.88 86.83,53.84 J6.156
